# Altium PCB GS-AQ-2.pcbdoc
Units mil, origin at the board's own origin, x right, y up, seen from the top; angles counter-clockwise.
Board outline 2434 x 3286 mil, 2 copper layers (Top Layer, Bottom Layer), stack 62.992 mil thick; 90 components, 74 nets, 391 pads, 72 vias.
Unrouted connection lines stored in the file: 1.
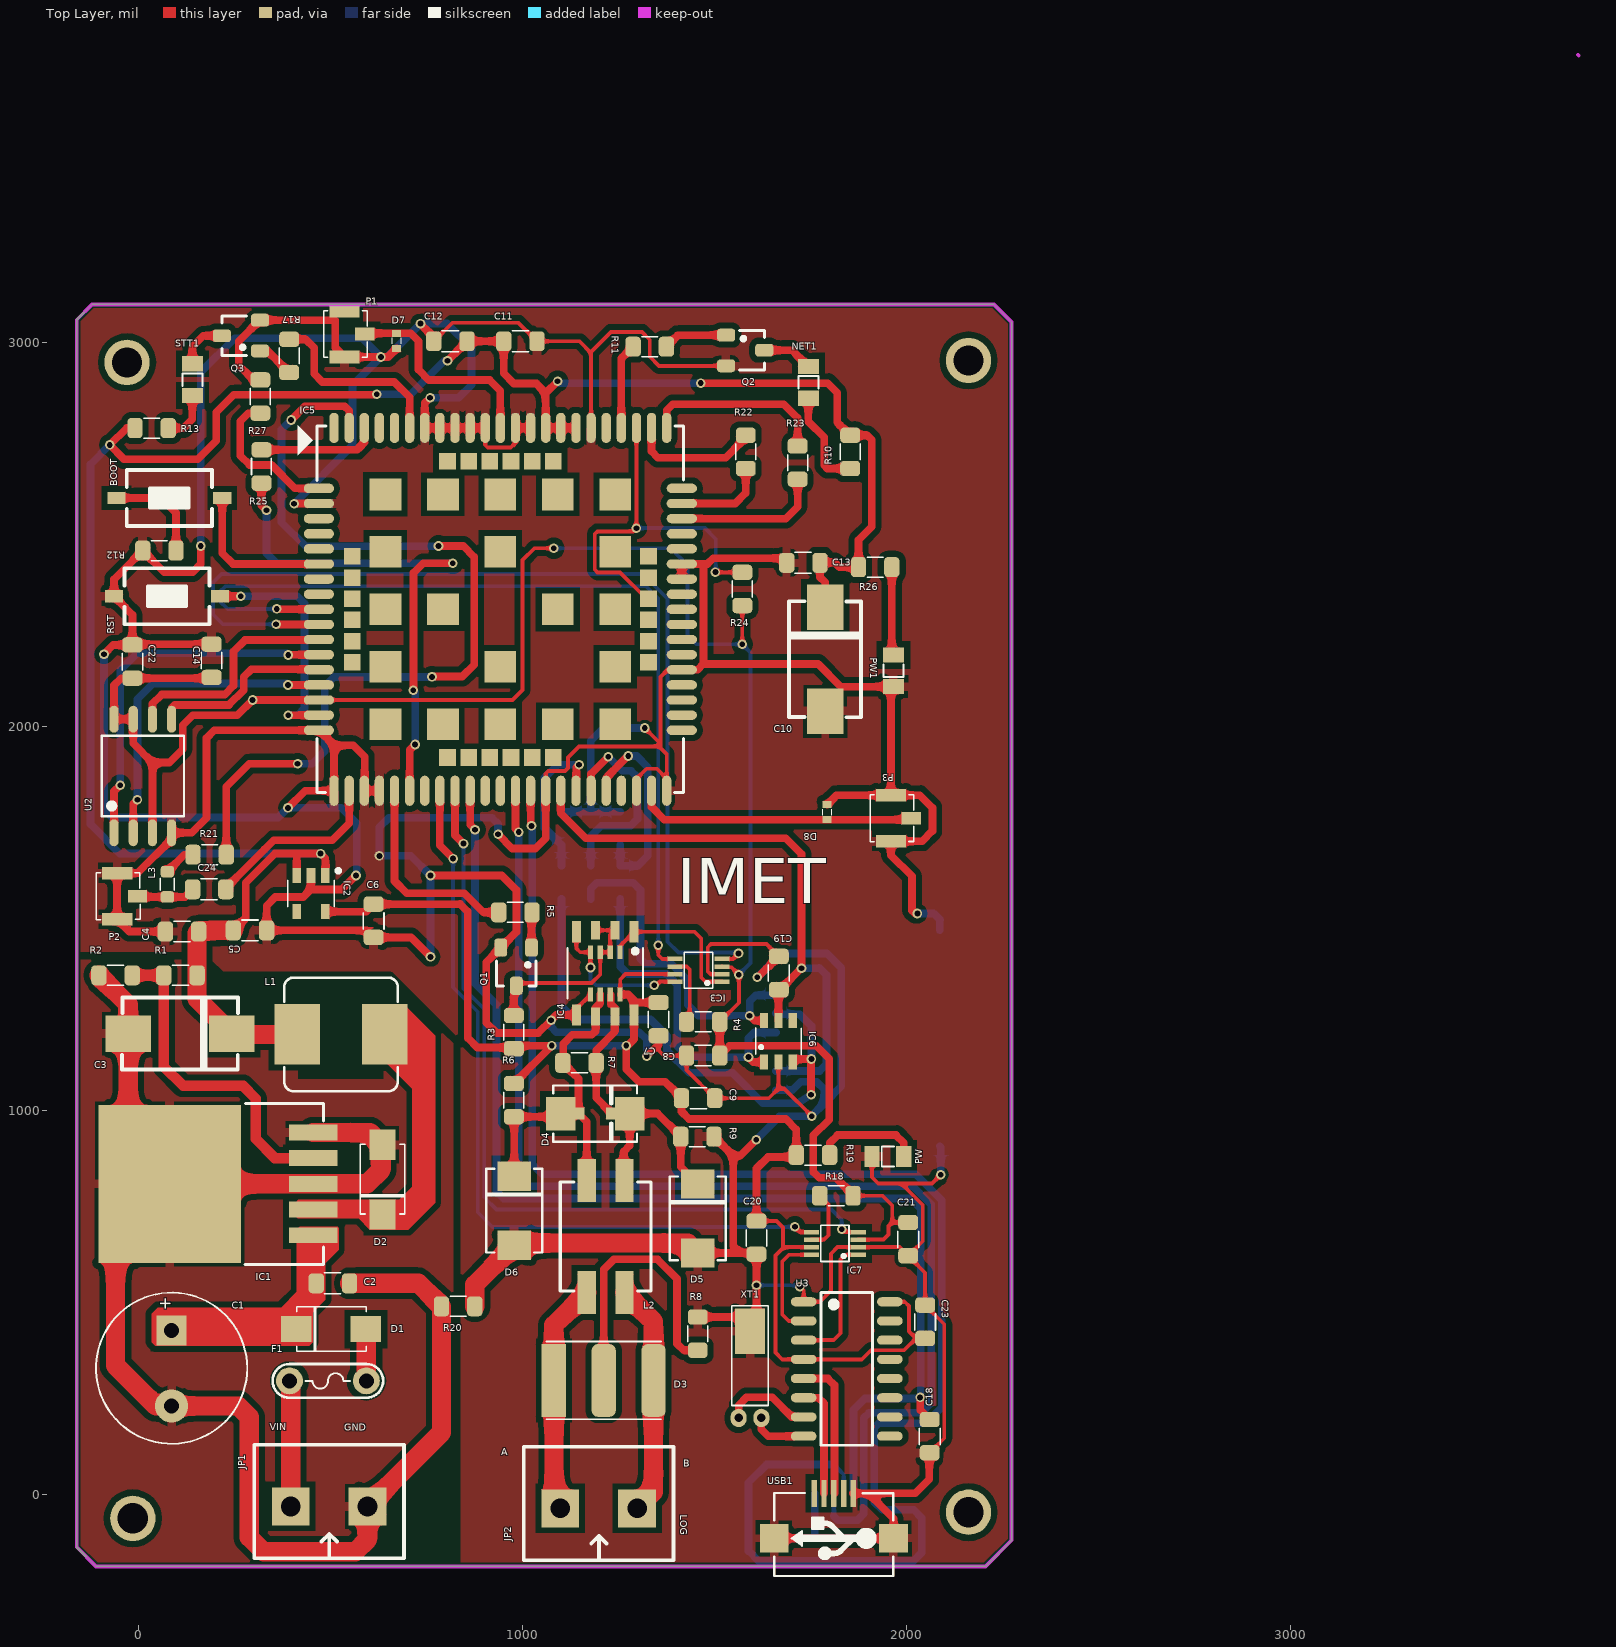
[diagram p0: Top Layer view]
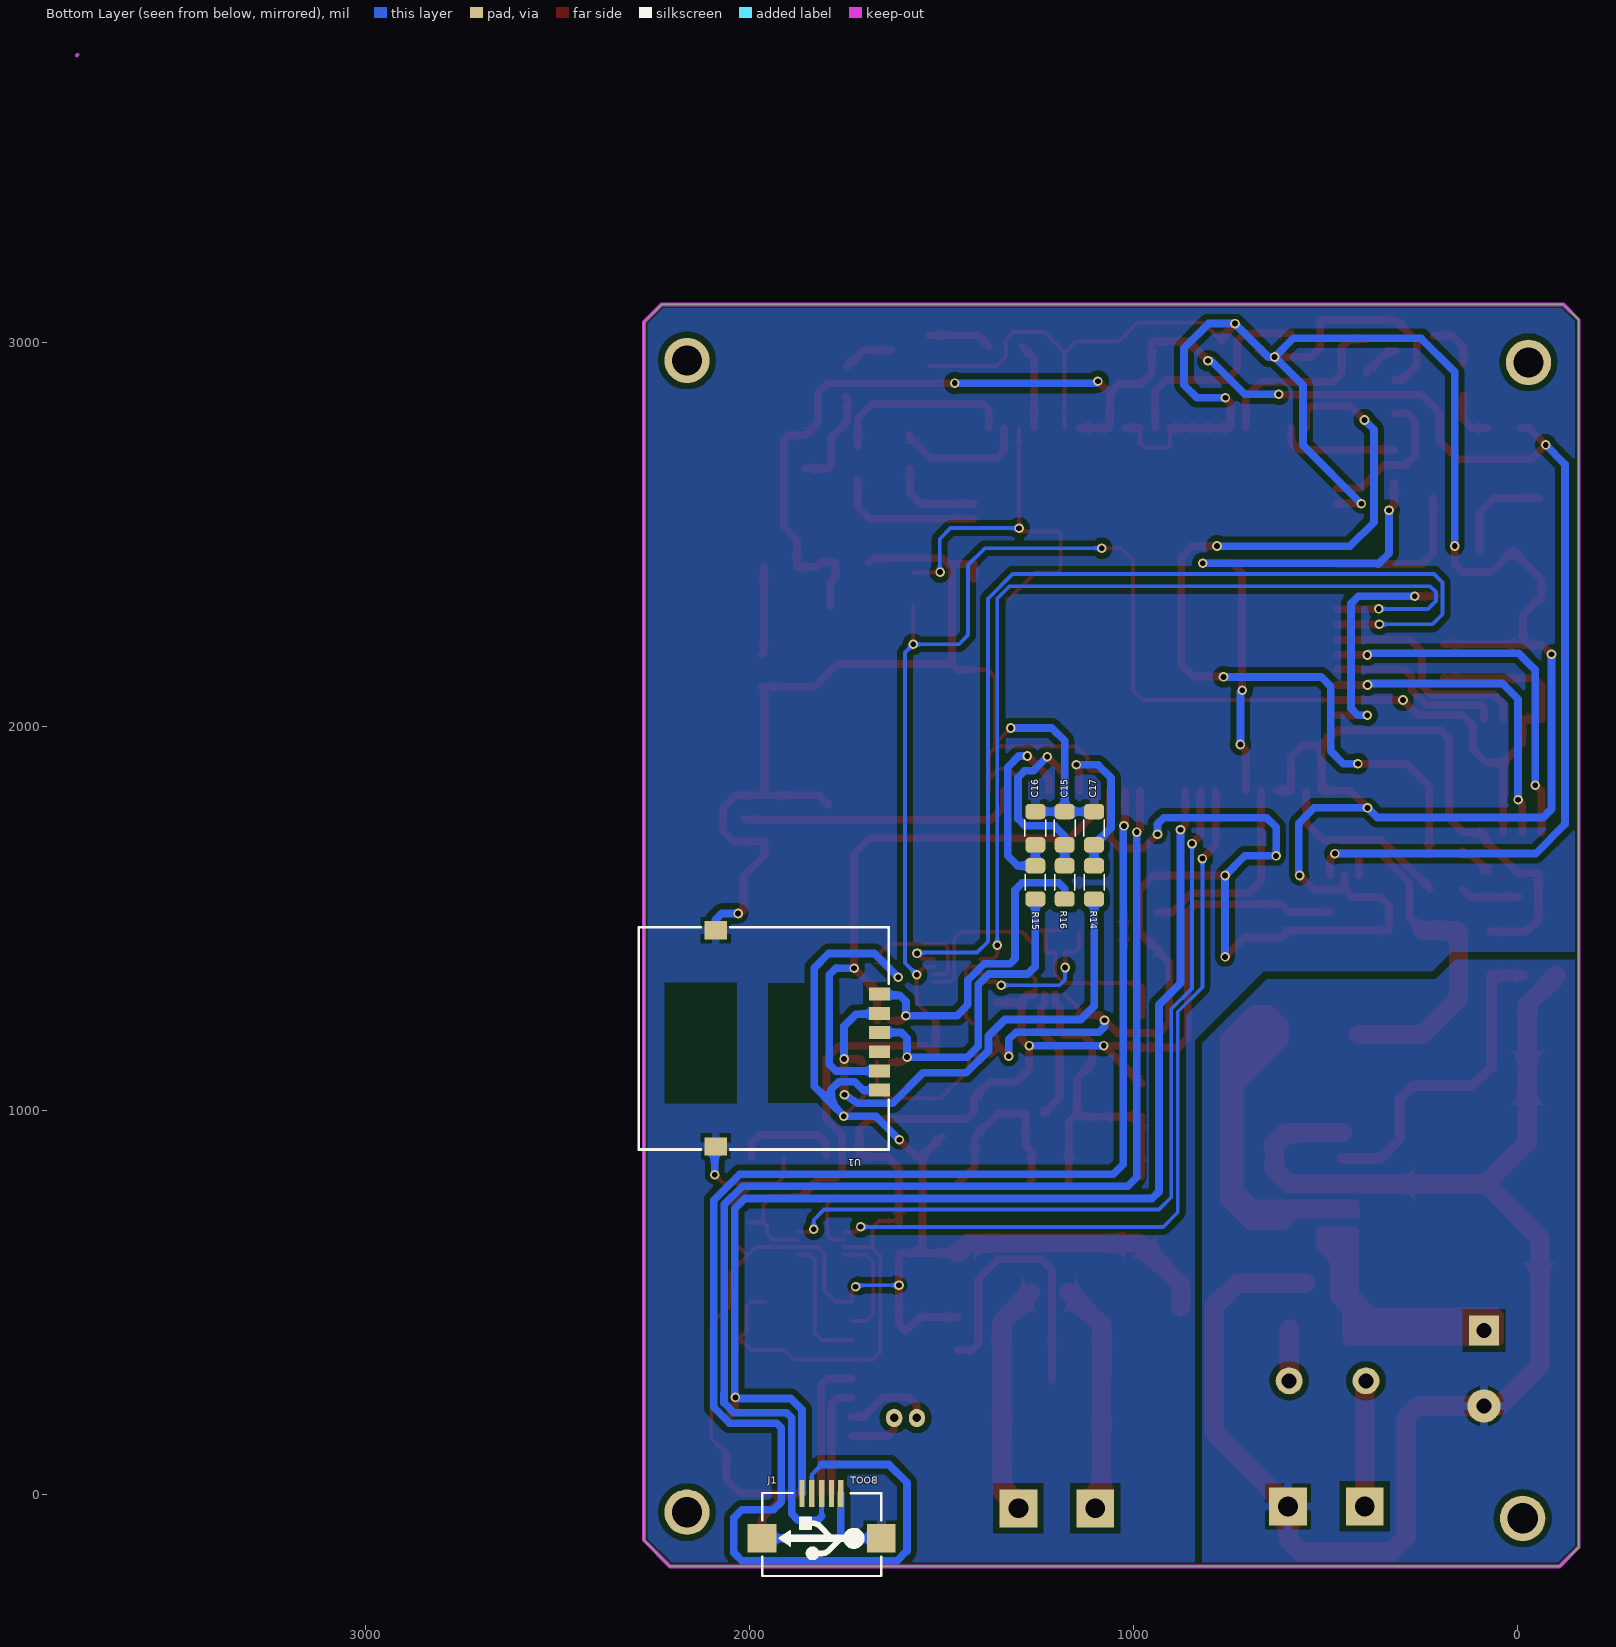
[diagram p1: Bottom Layer view, seen from below]
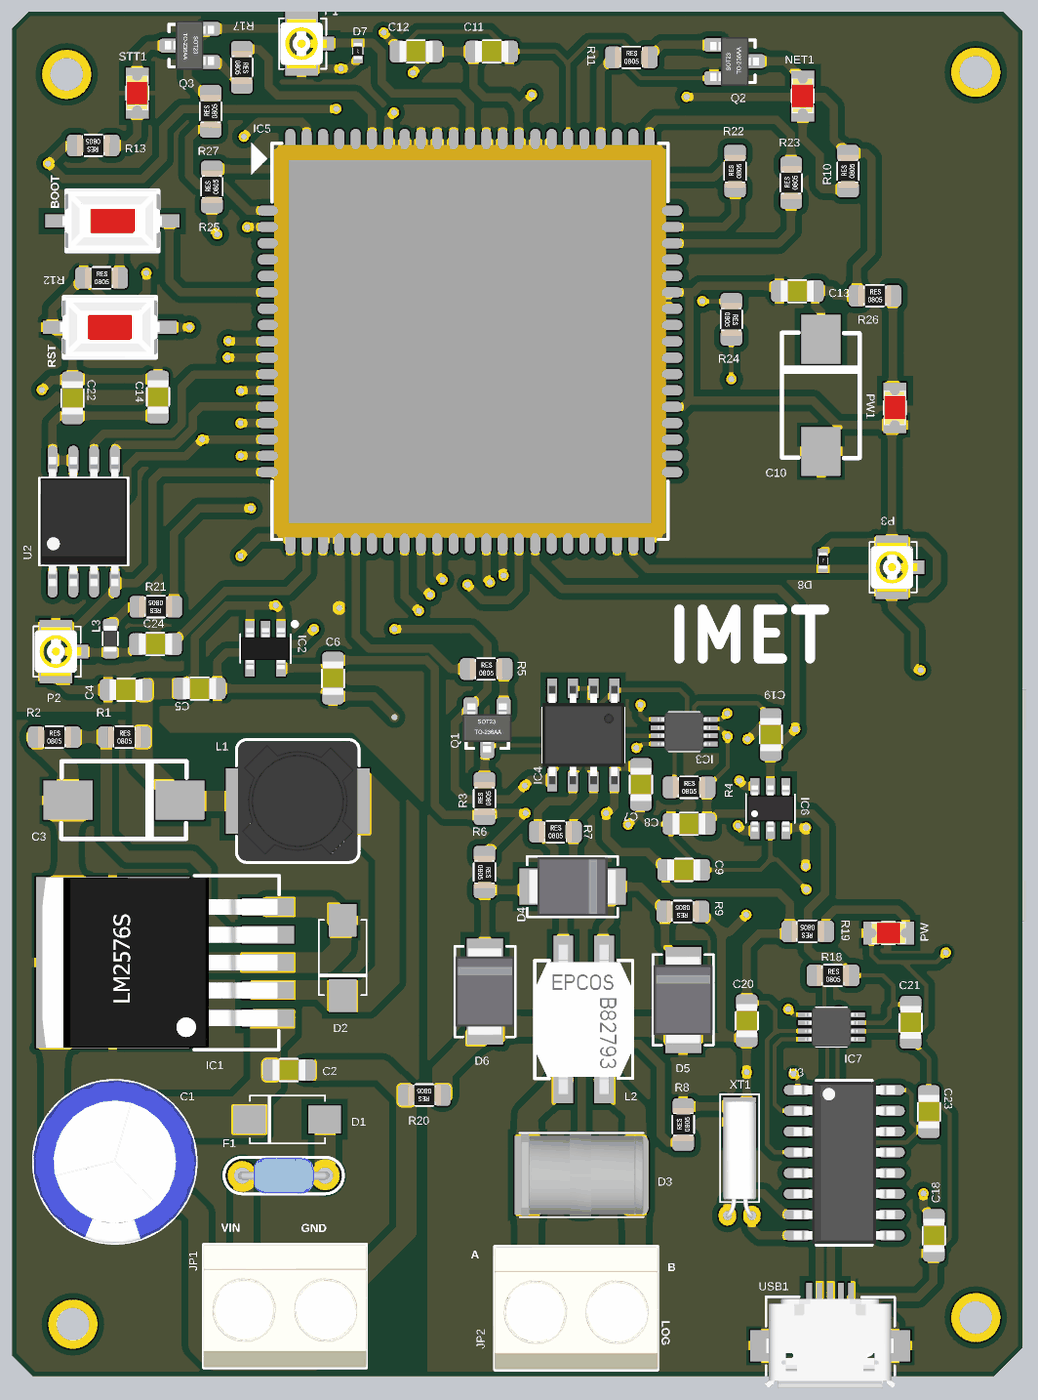
[diagram p2: 3D render of the assembled board from above, using the file's embedded part models]
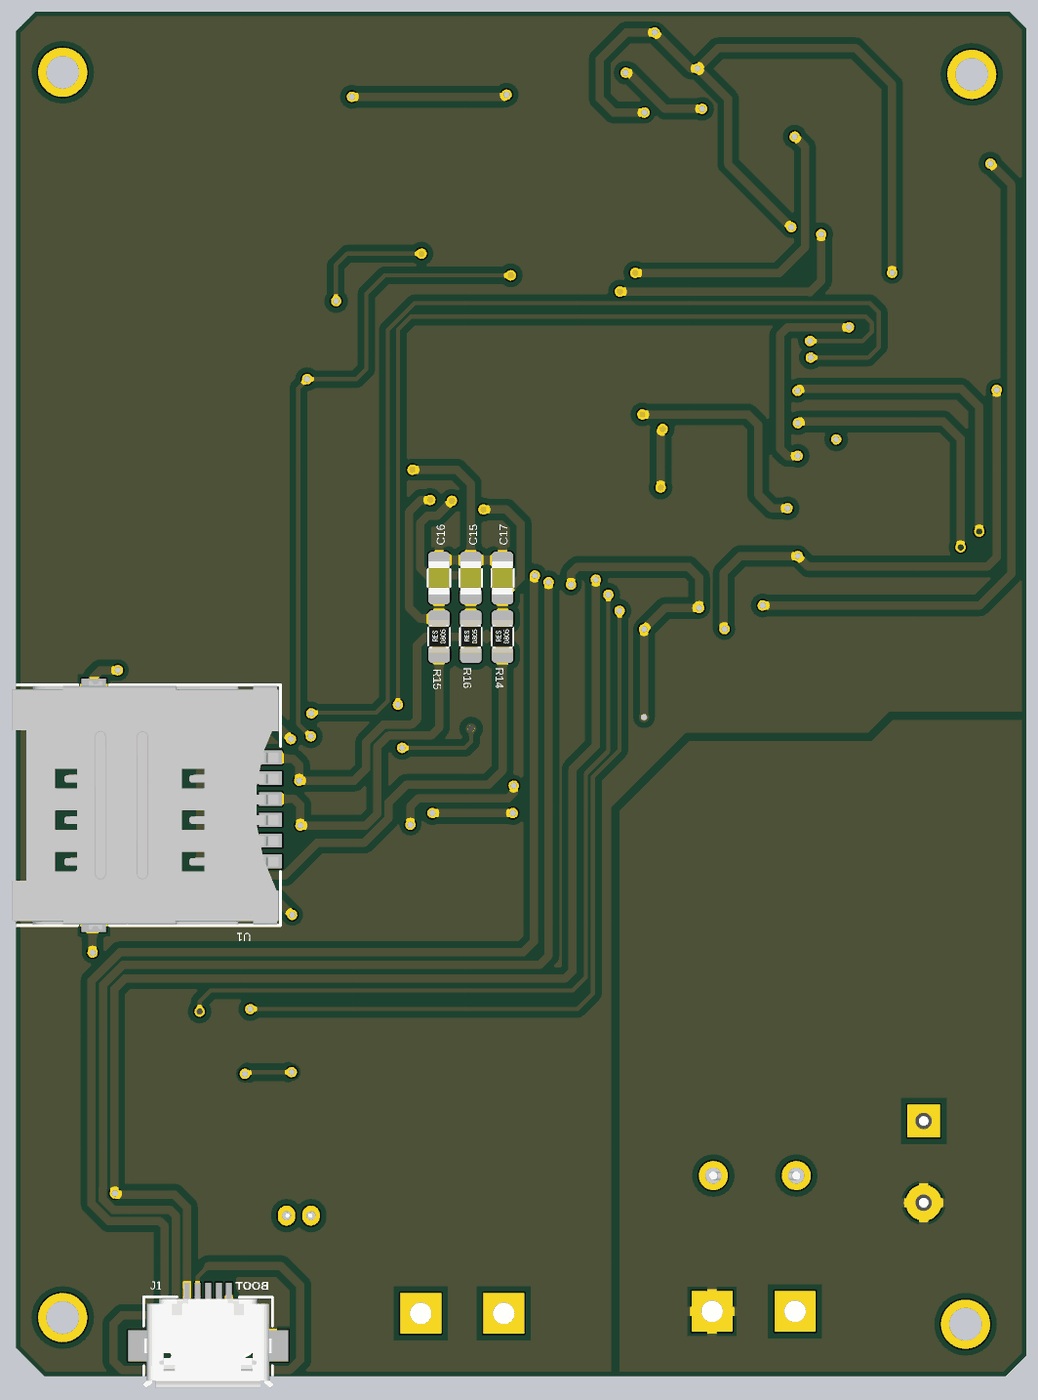
[diagram p3: 3D render of the assembled board from below, using the file's embedded part models]

## Layer stack, top to bottom
Top Solder: solder mask 0.4, Solder Resist, Dk 3.5
Top Layer: signal copper 1.378
Dielectric 1: dielectric 60.2362, FR-4, Dk 4.8
Bottom Layer: signal copper 1.378
Bottom Solder: solder mask 0.4, Solder Resist, Dk 3.5

## Board outline
-160,-138 -110,-188 2206,-188 2274,-120 2274,3052 2228,3098 -120,3098 -160,3058

## Design rules (kind name [scope] priority, off if disabled: settings)
Clearance Clearance_1 [OnLayer('Keep-Out Layer')] p1: gap=2 ignorepadtopadclearanceinfootprint=FALSE except(0: Arc-Hole Track-Hole SMDPad-Hole THPad-Hole Via-Hole Fill-Hole Poly-Hole Region-Hole Text-Hole)
Clearance Clearance_gnd [inpolygon] p2: gap=16 ignorepadtopadclearanceinfootprint=FALSE except(0: Arc-Hole Track-Hole SMDPad-Hole THPad-Hole Via-Hole Fill-Hole Poly-Hole Region-Hole Text-Hole)
Clearance [All] p3: gap=7 ignorepadtopadclearanceinfootprint=FALSE except(0: Arc-Hole Track-Hole SMDPad-Hole THPad-Hole Via-Hole Fill-Hole Poly-Hole Region-Hole Text-Hole)
HoleSize [All] p1: absolutevalues=TRUE maxlimit=1000 minlimit=1 maxpercent=80.000 minpercent=20.000
HoleToHoleClearance [All] p1: gap=7 allowstackedmicrovias=TRUE
MinimumSolderMaskSliver [All] p1: minsoldermaskwidth=1
PolygonConnect PolygonConnect_via [isvia] p1: connectstyle=Direct reliefconductorwidth=10 reliefentries=4 polygonreliefangle="90 Angle" airgapwidth=10
PolygonConnect [All] p2: connectstyle=Relief reliefconductorwidth=22 reliefentries=4 polygonreliefangle="90 Angle" airgapwidth=10
RoutingVias [All] p1: holewidth=15 width=25 viastyle="Through Hole" minholewidth=1 minwidth=1 maxholewidth=111 maxwidth=111
SilkToBoardRegionClearance [OnLayer('Keep-Out Layer')] p1:
SilkToSilkClearance [All] p1: silktosilkclearance=0
SilkToSolderMaskClearance [IsPad] p1: minsilkscreentomaskgap=0 clearancetoexposedcopper=TRUE
SolderMaskExpansion [All] p1: expansion=4
Width [All] p1: maxlimit=50 minlimit=10 preferedwidth=20
24 further rules are at their usual default settings.

## Classes and differential pairs
component class "1. Power": C1 C2 C3 C4 C5 C6 D1 D2 F1 IC1 IC2 JP1 L1 PW PW1 R1 R2 R19 R20 R26
component class "2. RS485": C7 C8 C9 D3 D4 D5 D6 IC3 IC4 JP2 L2 Q1 R3 R4 R5 R6 R7 R8 R9
component class "3. 4G": BOOT C10 C11 C12 C13 C14 C15 C16 C17 C18 C19 C24 D7 D8 IC5 IC6 J1 L3 NET1 P1 P2 P3 Q2 Q3 R10 R11 R12 R13 R14 R15 R16 R17 R21 R22 R23 R24 R25 R27 STT1 U1
component class "4. Flash + Debug": C20 C21 C22 C23 IC7 R18 U2 U3 USB1 XT1

## Components (designator, comment, footprint, x,y, rotation, side; value= is the part's Value field where it differs from the comment)
BOOT "SW" SW1-SMD 81,2594 r0 top
C1 "470uF/63V" CP_1000uF_25V 87,328 r270 top
C2 "4.7uF" C-0805 507,549 r180 top
C3 "220uF" EEFSDE 109,1199 r180 top
C4 "4.7uF" C-0805 114,1465 r0 top
C5 "10uF" C-0805 291,1468 r0 top
C6 "10uF" C-0805 613,1493 r270 top
C7 "100nF" C-0805 1355,1237 r270 top
C8 "100nF" C-0805 1471,1142 r180 top
C9 "100nF" C-0805 1458,1031 r0 top
C10 "100uF" EEFSDE 1789,2174 r270 top
C11 "100nF" C-0805 995,3002 r0 top
C12 "10uF" C-0805 813,3002 r180 top
C13 "100nF" C-0805 1732,2425 r180 top
C14 "10uF" C-0805 191,2170 r90 top
C15 "22pF" C-0805 1178.5,1734 r90 bottom
C16 "22pF" C-0805 1255,1734 r90 bottom
C17 "22pF" C-0805 1102,1734 r90 bottom
C18 "10uF" C-0805 2061,151 r270 top
C19 "100nF" C-0805 1668,1357 r90 top
C20 "100nF" C-0805 1610,668 r270 top
C21 "100nF" C-0805 2005,664 r270 top
C22 "100nF" C-0805 -15,2168 r270 top
C23 "100nF" C-0805 2049,449 r270 top
C24 "33pF" C-0805 185,1575 r180 top
D1 "M7" SMA11 502,430 r180 top
D2 "SS36" SMA11 636,819 r270 top
D3 "2038-15-SM-RPLF" 2038-15-SM-RPLF 1212,296 r0 top
D4 "PSD12C/SMBJ12CA" "SOD323 - DO241" 1190,991 r0 top
D5 "SMBJ6.5CA" DO-214AA 1457,718 r90 top
D6 "SMBJ6.5CA" DO-214AA 979,738 r90 top
D7 "LXES15AAA1-153" R-0402 673,3003 r270 top
D8 "LXES15AAA1-153" R-0402 1794,1776 r270 top
F1 "F1A" Fuse3 494,295 r0 top
IC1 "LM2576" TO-263 269,808 r90 top
IC2 "AP7335A-33W5-7" SOT23-5 450,1564 r270 top
IC3 "TXB0102DCUR" US8 1459,1364 r180 top
IC4 "MAX3485" "SOIC-8 - 1" 1216,1356 r270 top
IC5 "SIM A7672S" "SIM A7672S" 943,2304 r0 top
IC6 "TPD4E001" "SOT23-6 - 2" 1667,1179 r90 top
IC7 "TXB0102DCUR" US8 1814,653 r180 top
J1 "USB-5" USB-M1 1811.41,2 r0 bottom
JP1 "JP2" KF2-5.08 497,-32 r180 top
JP2 "JP2" KF2-5.08 1199,-37 r180 top
L1 "33uH" XL-cd74 528,1197 r0 top
L2 "L" L-B82793S0513N201 1217,671 r270 top
L3 "47nH" L-0603 76,1588 r90 top
NET1 "LED 0805" LED-0805 1745,2895 r90 top
P1 "IPX" IPXS 566,3021 r0 top
P2 "IPX" IPXS -26,1557 r0 top
P3 "IPX" IPXS 1989,1760 r0 top
PW "LED 0805" LED-0805 1952,879 r180 top
PW1 "LED 0805" LED-0805 1967,2144 r270 top
Q1 "C1815(MMBT4401)" SOT23-3 984,1373 r180 top
Q2 "C1815(MMBT4401)" SOT23-3 1581,2978 r270 top
Q3 "C1815(MMBT4401)" SOT23-3 267,3017 r90 top
R1 "10k" R-0805 110,1351 r0 top
R2 "4.7k" R-0805 -59,1351 r0 top
R3 "4.7k" R-0805 978,1203 r90 top
R4 "10k" R-0805 1471,1230 r0 top
R5 "1k" R-0805 982,1515 r0 top
R6 "4.7k" R-0805 978,1026 r270 top
R7 "120R" R-0805 1149,1123 r0 top
R8 "NC" R-0805 1457,418 r90 top
R9 "4.7k" R-0805 1456,931 r180 top
R10 "1k" R-0805 1854,2714 r90 top
R11 "330R" R-0805 1332,2988 r0 top
R12 "10k" R-0805 55,2457 r0 top
R13 "1k" R-0805 35,2776 r180 top
R14 "22R" R-0805 1102,1593 r90 bottom
R15 "22R" R-0805 1255,1593 r90 bottom
R16 "22R" R-0805 1178.5,1593 r90 bottom
R17 "330R" R-0805 393,2964 r270 top
R18 "10k" R-0805 1818,777 r0 top
R19 "1k" R-0805 1757,883 r180 top
R20 "0R" R-0805 833,489 r180 top
R21 "10R" R-0805 186,1665 r180 top
R22 "10k" R-0805 1582,2714 r90 top
R23 "10k" R-0805 1717,2686 r90 top
R24 "0R" R-0805 1573,2357 r270 top
R25 "0R" R-0805 321,2676 r90 top
R26 "1k" R-0805 1919,2414 r0 top
R27 "1k" R-0805 318,2858 r90 top
RST "SW" SW1-SMD 75,2338 r0 top
STT1 "LED 0805" LED-0805 141,2902 r90 top
U1 "Sim holder" "SIM_MicroSIM 6P Flip" 1874,1187 r90 bottom
U2 "W25Q64JWSSIQ" SO-8N 12,1870 r90 top
U3 "CH340C" SOIC-16 1845,326 r0 top
USB1 "USB-5" USB-M1 1811.41,2 r180 top
XT1 "12Mhz" XT32-3 1593,286 r90 top

## Footprints (in the part's own frame and the unit in brackets; to place one, negate y for a bottom-side part, rotate by r counter-clockwise, add the part's x,y. Pads: shape width x height; smd on the part's side, far side on the other; paste and mask are expansions set on the pad)
2038-15-SM-RPLF [mm] "Compoment SMD 80x50mil"
  rect 1.6x4.8 smd: 1(-3.3,0)
  rrect50% 1.6x4.8 smd: 2(3.3,0) 3(0,0)
  silkscreen extent -3.8,-2.57 3.81,2.58, body extent -3.72,-2.49 3.78,2.51, height 5
C-0805 [mil] "Compoment SMD 80x50mil"
  rrect50% 40x52 smd: 1(-43.31,0) 2(43.31,0)
  silkscreen extent -21,-27 22,27, body extent -40,-25 40,25, height 24
CP_1000uF_25V [mm]
  rect 2x2 hole 1: 1(-2.5,0)
  round 2.2 hole 1: 2(2.5,0)
  silkscreen extent -5,-5 5,5, body extent -5,-5 5,5, height 20.04
DO-214AA [mil] "SMAJ5.0A/CA,SMAJ24CA..."
  rect 76x87 smd: 1(-90,0) 2(90,0)
  silkscreen extent -109,-73 109,73, body extent -106,-71 106,71, height 90
EEFSDE [mm]
  rect 3x2.4 smd: 1(-3.429,0) 2(3.429,0)
  silkscreen extent -3.84,-2.39 3.84,2.36, body extent -3.81,-2.15 3.81,2.15, height 4.21
Fuse3 [mil]
  round 70 hole 39: 1(-100,0) 2(100,0)
  silkscreen extent -144,-44 144,44, body extent -110,-43 110,44, height 276
IPXS [mil] "SOT 23 _ 1-3-2"
  rect 50x33 smd: 1(24,0)
  rect 79x33 smd: 2(-29,-60) 3(-29,60)
  silkscreen extent -83,-61 31,61, body extent -80,-59 32,59, height 50
KF2-5.08 [mm]
  rect 2.5x2.5 hole 1.3: 1(-2.54,0) 2(2.54,0)
  silkscreen extent -4.95,-4.08 4.95,3.43, body extent -5,-4.07 5,3.43, height 10
L-0603 [mil] "Chip Capacitor; Body 1.6 x 0.8 mm (LxW typ)"
  rrect50% 30x35 smd: 1(-33,0) 2(33,0)
  silkscreen extent -16,-18 16,18, body extent -31,-16 31,16, height 31
L-B82793S0513N201 [mm] "Loc 220"
  rect 2.85x1.2 smd: 1(-3.7,1.25) 2(3.7,1.25) 3(3.7,-1.25) 4(-3.7,-1.25)
  silkscreen extent -3.61,-3 3.61,3, body extent -4.57,-2.95 4.57,2.95, height 4.61
LED-0805 [mm]
  rect 1x1.397 smd: 1(-1.05,0) 2(1.05,0)
  silkscreen extent -0.41,-0.66 0.41,0.66, body extent -1.05,-0.67 1.05,0.68, height 0.9
R-0402 [mil]
  rect 18x23.62 smd: 1(-19.69,0) 2(19.69,0)
  silkscreen extent -8,-12 8,12, body extent -20,-10 20,10, height 14
R-0805 [mil] "Compoment SMD 80x50mil"
  rrect50% 40x52 smd: 1(-43.31,0) 2(43.31,0)
  silkscreen extent -21,-26 21,26, body extent -39,-25 39,25, height 22
"SIM A7672S" [mm]
  oval 2x0.62 smd: 1(-12,8) 2(-12,7) 3(-12,6) 4(-12,5) 5(-12,4) 6(-12,3) 7(-12,2) 8(-12,1) 9(-12,0) 10(-12,-1) 11(-12,-2) 12(-12,-3) 13(-12,-4) 14(-12,-5) 15(-12,-6) 16(-12,-7) 17(-12,-8) 35(12,-8) 36(12,-7) 37(12,-6) 38(12,-5) 39(12,-4) 40(12,-3) 41(12,-2) 42(12,-1) 43(12,0) 44(12,1) 45(12,2) 46(12,3) 47(12,4) 48(12,5) 49(12,6) 50(12,7) 51(12,8)
  oval 0.62x2 smd: 18(-8,-12) 19(-7,-12) 20(-6,-12) 21(-5,-12) 22(-4,-12) 23(-3,-12) 24(-2,-12) 25(-1,-12) 26(0,-12) 27(1,-12) 28(2,-12) 29(3,-12) 30(4,-12) 31(5,-12) 32(6,-12) 33(7,-12) 34(8,-12) 52(8,12) 53(7,12) 54(6,12) 55(5,12) 56(4,12) 57(3,12) 58(2,12) 59(1,12) 60(0,12) 61(-1,12) 62(-2,12) 63(-3,12) 64(-4,12) 65(-5,12) 66(-6,12) 67(-7,12) 68(-8,12) 89(-11,-12) 90(-10,-12) 91(-9,-12) 92(9,-12) 93(10,-12) 94(11,-12) 95(11,12) 96(10,12) 97(9,12) 98(-9,12) 99(-10,12) 100(-11,12)
  rect 2.1x2.1 smd: 69(-7.6,7.6) 70(-7.6,3.8) 71(-7.6,0) 72(-7.6,-3.8) 73(-7.6,-7.6) 74(-3.8,-7.6) 75(0,-7.6) 76(3.8,-7.6) 77(7.6,-7.6) 78(7.6,-3.8) 79(7.6,0) 80(7.6,3.8) 81(7.6,7.6) 82(3.8,7.6) 83(0,7.6) 84(-3.8,7.6) 85(-3.8,0) 86(0,-3.8) 87(3.8,0) 88(0,3.8)
  rect 1.1x1.1 smd: 101(-9.8,3.5) 102(-9.8,2.1) 103(-9.8,0.7) 104(-9.8,-0.7) 105(-9.8,-2.1) 106(-9.8,-3.5) 107(-3.5,-9.8) 108(-2.1,-9.8) 109(-0.7,-9.8) 110(0.7,-9.8) 111(2.1,-9.8) 112(3.5,-9.8) 113(9.8,-3.5) 114(9.8,-2.1) 115(9.8,-0.7) 116(9.8,0.7) 117(9.8,2.1) 118(9.8,3.5) 119(3.5,9.8) 120(2.1,9.8) 121(0.7,9.8) 122(-0.7,9.8) 123(-2.1,9.8) 124(-3.5,9.8)
  silkscreen extent -13.39,-12.12 12.12,12.16, body extent -12,-12 12,12, height 2.6
"SIM_MicroSIM 6P Flip" [mm]
  rect 0.85x1.4 smd: 1(-2.16,-5.415) 2(0.38,-5.415) 3(2.92,-5.415) 5(-3.43,-5.415) 6(-0.89,-5.415) 7(1.65,-5.415)
  rect 1.2x1.5 smd: 8(-7.15,5.415) 8(7.15,5.415)
  Top Layer pour cut-out: 3.683,-2.79 -4.293,-2.79 -4.293,1.96 3.683,1.96
  Top Layer pour cut-out: 3.683,8.788 -4.293,8.788 -4.293,4.039 3.683,4.039
  silkscreen extent -7.35,-6.02 7.35,10.52, body extent -7.61,-5.89 7.59,10.41, height 1.7
SMA11 [mm] "SMAJ5.0A/CA,SMAJ24CA..."
  rect 2x1.7 smd: 1(-2.3,0) 2(2.3,0)
  silkscreen extent -2.33,-1.46 2.27,1.46, body extent -2.54,-1.46 2.54,1.46, height 2.62